# KiCad board GSTrackerOrderFile.kicad_pcb (continued)
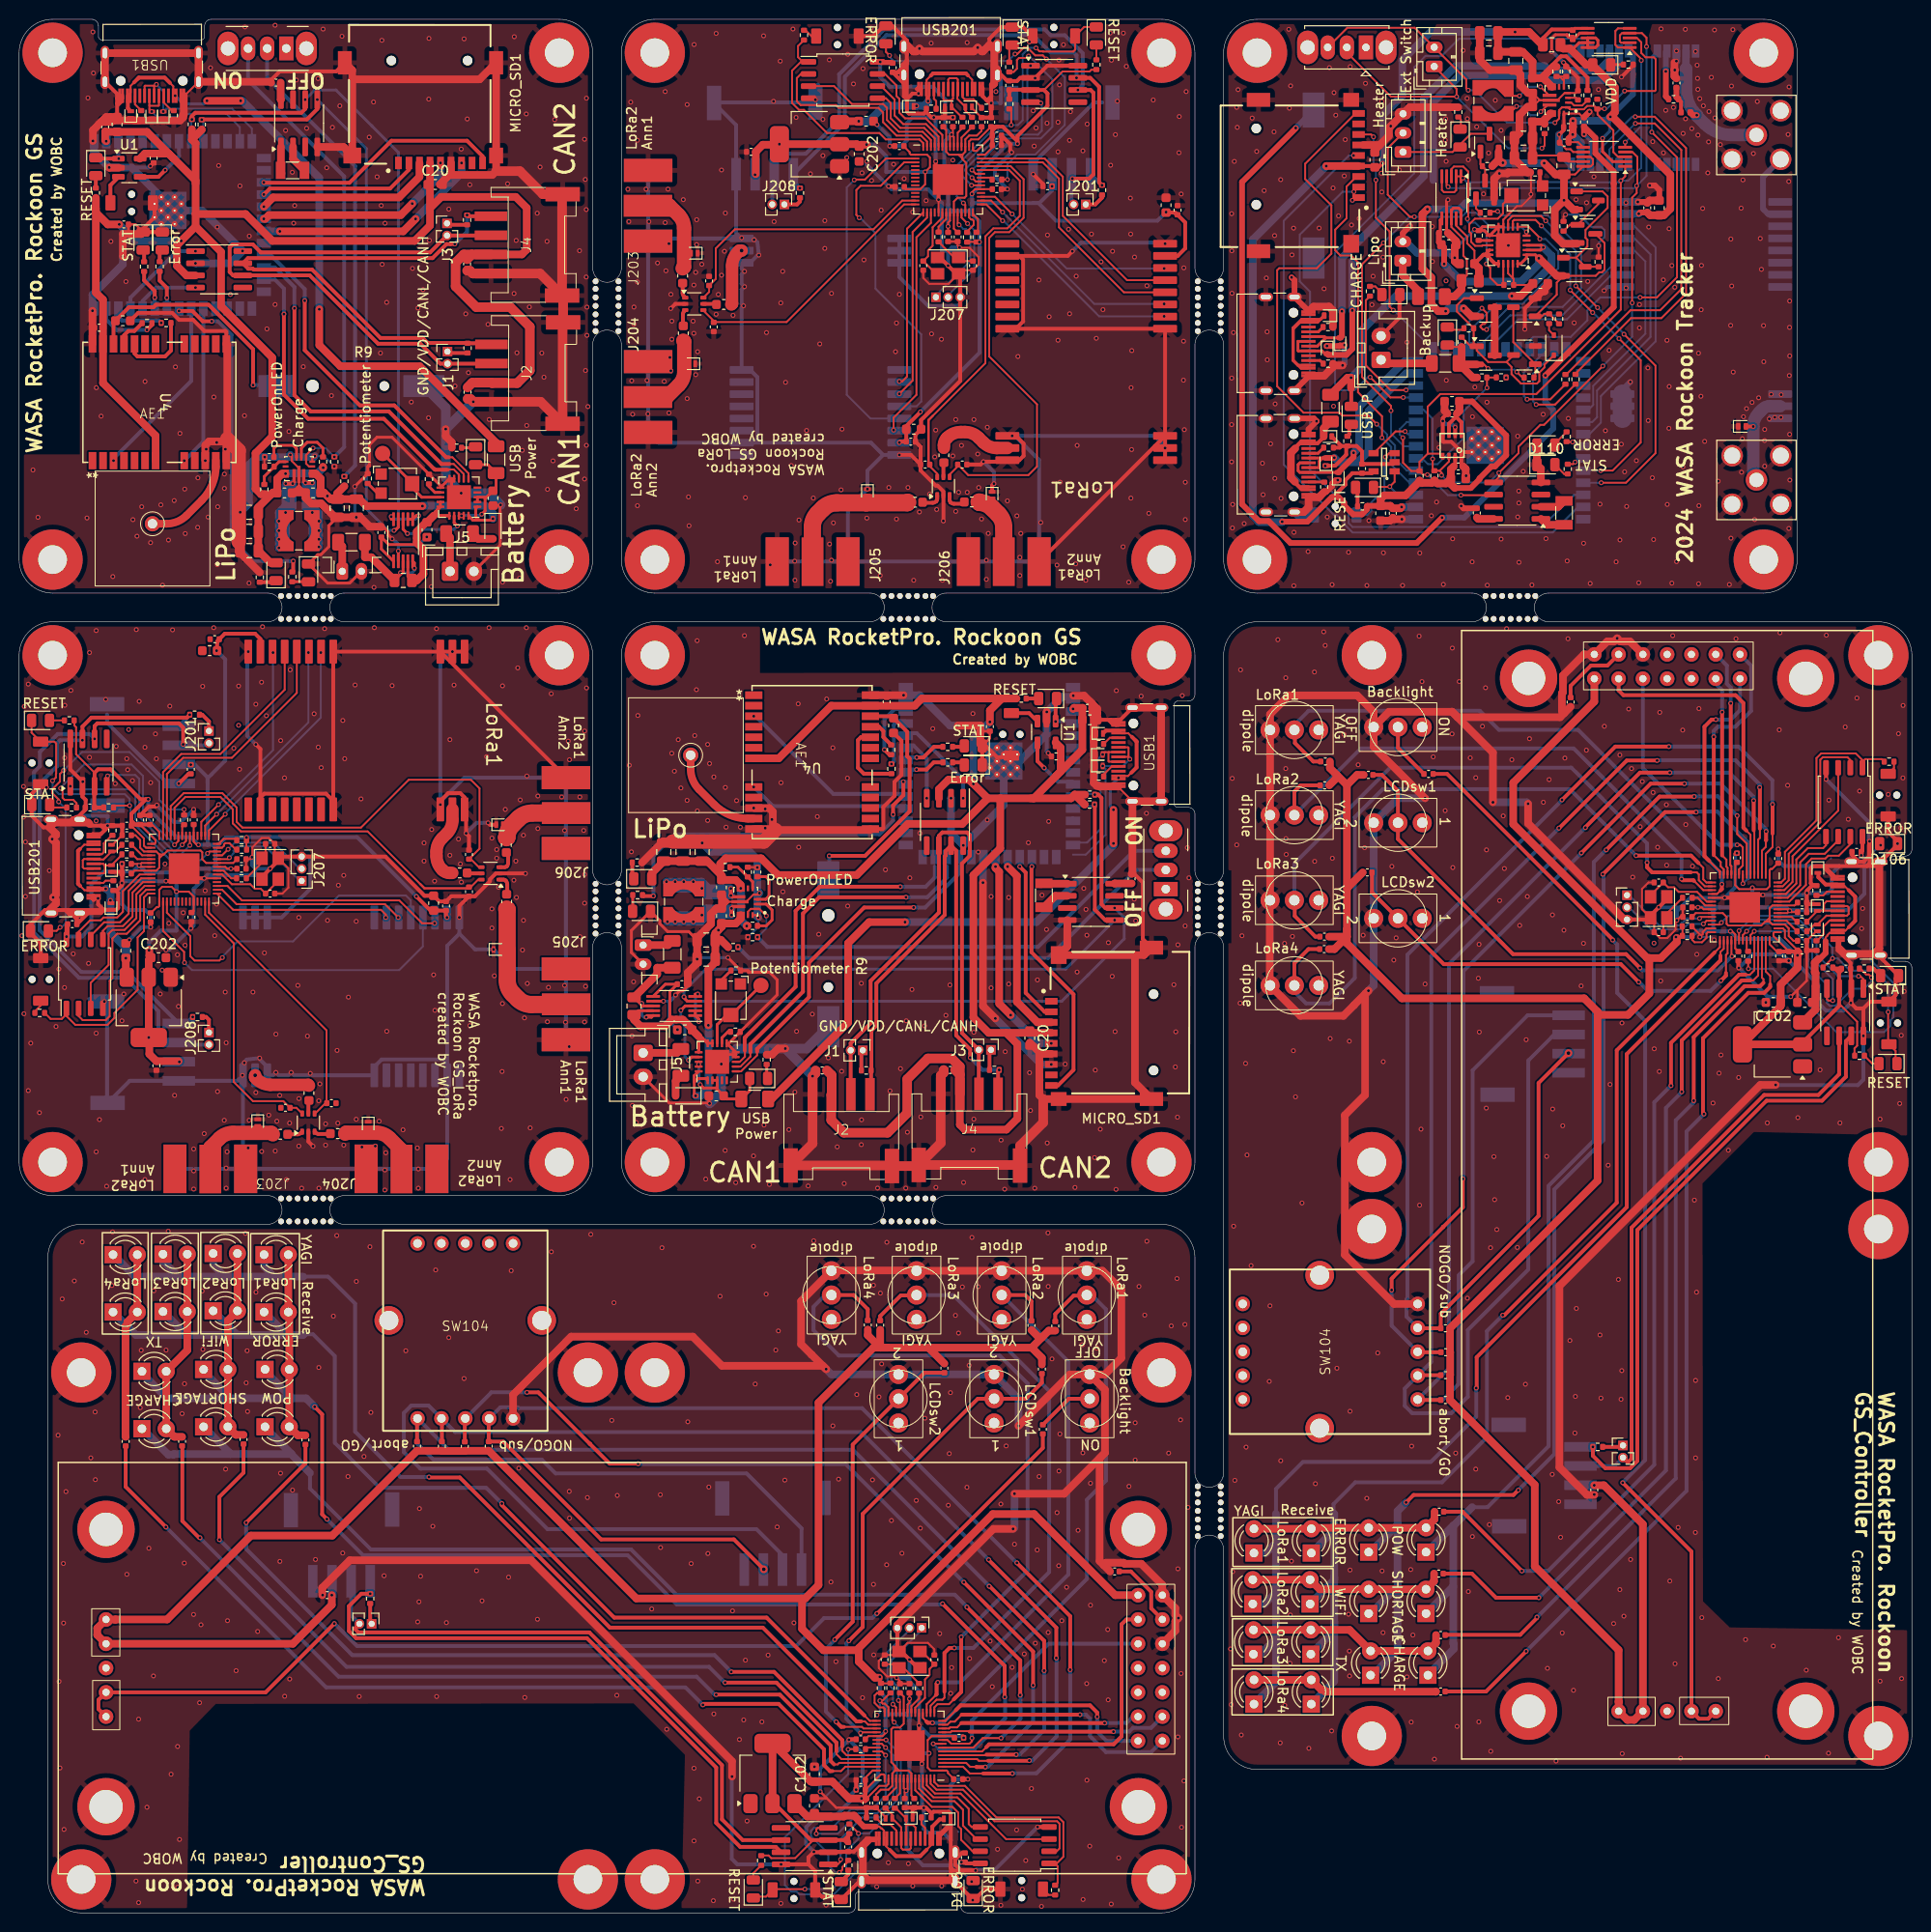
[diagram p0: board, top side]
## Footprints (pads in the part's own frame, mm; a bottom-side part is the same pattern mirrored in y, then rotated) (continued)
Board_1U_60x60
  round 6.3 hole 3: GND(-26.5,26.5) GND(-26.5,-26.5) GND(26.5,26.5) GND(26.5,-26.5)
Board_2U_120x60
  round 6.3 hole 3: GND(-56.5,26.5) GND(-56.5,-26.5) GND(-3.5,26.5) GND(-3.5,-26.5) GND(3.5,26.5) GND(3.5,-26.5) GND(56.5,26.5) GND(56.5,-26.5)
C_0402_1005Metric
  rrect 0.56x0.62 smd: 1(-0.48,0) 2(0.48,0)
C_0603_1608Metric
  rrect 0.9x0.95 smd: 1(-0.775,0) 2(0.775,0)
C_0805_2012Metric
  rrect 1x1.45 smd: 1(-0.95,0) 2(0.95,0)
cr1220
  round 1.3 hole 1.3 unplated: (-3.75,0)
  round 1 hole 1 unplated: (3.75,0)
  rect 3.66x2.3 smd: 1(-7.575,0)
  rect 4.3x2.3 smd: 2(7.895,0)
cr1220#2
  rect 3.66x2.3 smd: 1(-7.575,0)
  rect 4.3x2.3 smd: 2(7.895,0)
Crystal_SMD_3215-2Pin_3.2x1.5mm
  rect 1x1.8 smd: 1(1.25,0) 2(-1.25,0)
Crystal_SMD_3225-4Pin_3.2x2.5mm
  rect 1.4x1.2 smd: 1(-1.1,-0.85) 2(1.1,-0.85) 3(1.1,0.85) 4(-1.1,0.85)
D_SOD-323
  rrect 0.6x0.45 smd: 1(-1.05,0) 2(1.05,0)
D_SOD-882
  rrect 0.3x0.6 smd: (-0.35,0) (0.35,0)
  rrect 0.4x0.7 smd: 1(-0.35,0) 2(0.35,0)
D_SOD-882D
  rrect 0.3x0.6 smd: (-0.35,0) (0.35,0)
  rrect 0.5x0.7 smd: 1(-0.4,0) 2(0.4,0)
E220-900T22S(JP)
  rrect 2.5x0.8 smd: 1(8.25,0) 2(8.25,1.27) 3(8.25,2.54) 4(8.25,13.74) 5(8.25,15.01) 6(8.25,16.28) 7(8.25,17.55) 8(8.25,18.82) 9(8.25,20.09) 10(8.25,21.36) 11(8.25,22.63) 12(-8.25,22.63) 13(-8.25,21.36) 14(-8.25,20.09) 15(-8.25,18.82) 16(-8.25,17.55) 17(-8.25,16.28) 18(-8.25,15.01) 19(-8.25,13.74) 20(-8.25,2.54) 21(-8.25,1.27) 22(-8.25,0)
ESP32-S3-WROOM-1
  rect 0.9x0.9 smd: (-2.9,-3.86) (-2.9,-2.46) (-2.9,-1.06) (-1.5,-3.86) (-1.5,-2.46) (-1.5,-1.06) (-0.1,-3.86) (-0.1,-2.46) (-0.1,-1.06)
  rect 1.5x0.9 smd: 1(-8.75,5.26) 2(-8.75,3.99) 3(-8.75,2.72) 4(-8.75,1.45) 5(-8.75,0.18) 6(-8.75,-1.09) 7(-8.75,-2.36) 8(-8.75,-3.63) 9(-8.75,-4.9) 10(-8.75,-6.17) 11(-8.75,-7.44) 12(-8.75,-8.71) 13(-8.75,-9.98) 14(-8.75,-11.25) 27(8.75,-11.25) 28(8.75,-9.98) 29(8.75,-8.71) 30(8.75,-7.44) 31(8.75,-6.17) 32(8.75,-4.9) 33(8.75,-3.63) 34(8.75,-2.36) 35(8.75,-1.09) 36(8.75,0.18) 37(8.75,1.45) 38(8.75,2.72) 39(8.75,3.99) 40(8.75,5.26)
  rect 0.9x1.5 smd: 15(-6.985,-12.5) 16(-5.715,-12.5) 17(-4.445,-12.5) 18(-3.175,-12.5) 19(-1.905,-12.5) 20(-0.635,-12.5) 21(0.635,-12.5) 22(1.905,-12.5) 23(3.175,-12.5) 24(4.445,-12.5) 25(5.715,-12.5) 26(6.985,-12.5)
  round 0.6 hole 0.2: 41(-2.9,-3.16) 41(-2.9,-1.76) 41(-2.2,-3.86) 41(-2.2,-2.46) 41(-2.2,-1.06) 41(-1.5,-3.16) 41(-1.5,-1.76) 41(-0.8,-3.86) 41(-0.8,-2.46) 41(-0.8,-1.06) 41(-0.1,-3.16) 41(-0.1,-1.76)
  rect 3.9x3.9 smd: 41(-1.5,-2.46)
Fuse_1206_3216Metric
  rrect 1.25x1.75 smd: 1(-1.4,0) 2(1.4,0)
GNSS_Antenna_1212
  round 1.6 hole 1: 1(0,0.5)
Grove_4P_L_SMD
  rect 1x3.4 smd: 1(3,3.7) 2(1,3.7) 3(-1,3.7) 4(-3,3.7)
  rect 1.5x3.6 smd: MP(-5.3,-3.74) MP(5.3,-3.8)
JST_PH_B2B-PH-K_1x02_P2.00mm_Vertical
  rrect 1.2x1.75 hole 0.75: 1(0,0)
  oval 1.2x1.75 hole 0.75: 2(2,0)
JST_PH_B3B-PH-K_1x03_P2.00mm_Vertical
  rrect 1.2x1.75 hole 0.75: 1(0,0)
  oval 1.2x1.75 hole 0.75: 2(2,0) 3(4,0)
JST_PH_S2B-PH-K_1x02_P2.00mm_Horizontal
  rrect 1.2x1.75 hole 0.75: 1(0,0)
  oval 1.2x1.75 hole 0.75: 2(2,0)
JST_XH_B2B-XH-A_1x02_P2.50mm_Vertical
  rrect 1.7x2 hole 1: 1(0,0)
  oval 1.7x2 hole 1: 2(2.5,0)
L_0402_1005Metric
  rrect 0.59x0.64 smd: 1(-0.485,0) 2(0.485,0)
L_Wuerth_WE-TPC-3816
  custom 4.3x1.6 smd: 1(0,1.75) 2(0,-1.75)
LED_0805_2012Metric
  rrect 0.975x1.4 smd: 1(-0.938,0) 2(0.938,0)
LED_D3.0mm_FlatTop
  rect 1.8x1.8 hole 0.9: 1(0,0)
  round 1.8 hole 0.9: 2(2.54,0)
PinHeader_1x02_P1.27mm_Vertical
  rect 1x1 hole 0.65: 1(0,0)
  oval 1x1 hole 0.65: 2(0,-1.27)
PinHeader_1x03_P1.27mm_Vertical
  rect 1x1 hole 0.65: 1(0,0)
  oval 1x1 hole 0.65: 2(0,-1.27) 3(0,-2.54)
Potentiometer_Bourns_TC33X_Vertical
  rect 1.2x1.2 smd: 1(-1.8,1) 3(-1.8,-1)
  rect 1.5x1.6 smd: 2(1.45,0)
QFN-20-1EP_4x4mm_P0.5mm_EP2.5x2.5mm
  rrect 1.01x1.01 smd: (-0.625,0.625) (-0.625,-0.625) (0.625,0.625) (0.625,-0.625)
  rrect 0.825x0.25 smd: 1(-1.938,1) 2(-1.938,0.5) 3(-1.938,0) 4(-1.938,-0.5) 5(-1.938,-1) 11(1.938,-1) 12(1.938,-0.5) 13(1.938,0) 14(1.938,0.5) 15(1.938,1)
  rrect 0.25x0.825 smd: 6(-1,-1.938) 7(-0.5,-1.938) 8(0,-1.938) 9(0.5,-1.938) 10(1,-1.938) 16(1,1.938) 17(0.5,1.938) 18(0,1.938) 19(-0.5,1.938) 20(-1,1.938)
  rect 2.5x2.5 smd: 21(0,0)
QFN-56-1EP_7x7mm_P0.4mm_EP3.2x3.2mm
  rrect 1.29x1.29 smd: (-0.8,0.8) (-0.8,-0.8) (0.8,0.8) (0.8,-0.8)
  rrect 0.875x0.2 smd: 1(-3.438,2.6) 2(-3.438,2.2) 3(-3.438,1.8) 4(-3.438,1.4) 5(-3.438,1) 6(-3.438,0.6) 7(-3.438,0.2) 8(-3.438,-0.2) 9(-3.438,-0.6) 10(-3.438,-1) 11(-3.438,-1.4) 12(-3.438,-1.8) 13(-3.438,-2.2) 14(-3.438,-2.6) 29(3.438,-2.6) 30(3.438,-2.2) 31(3.438,-1.8) 32(3.438,-1.4) 33(3.438,-1) 34(3.438,-0.6) 35(3.438,-0.2) 36(3.438,0.2) 37(3.438,0.6) 38(3.438,1) 39(3.438,1.4) 40(3.438,1.8) 41(3.438,2.2) 42(3.438,2.6)
  rrect 0.2x0.875 smd: 15(-2.6,-3.438) 16(-2.2,-3.438) 17(-1.8,-3.438) 18(-1.4,-3.438) 19(-1,-3.438) 20(-0.6,-3.438) 21(-0.2,-3.438) 22(0.2,-3.438) 23(0.6,-3.438) 24(1,-3.438) 25(1.4,-3.438) 26(1.8,-3.438) 27(2.2,-3.438) 28(2.6,-3.438) 43(2.6,3.438) 44(2.2,3.438) 45(1.8,3.438) 46(1.4,3.438) 47(1,3.438) 48(0.6,3.438) 49(0.2,3.438) 50(-0.2,3.438) 51(-0.6,3.438) 52(-1,3.438) 53(-1.4,3.438) 54(-1.8,3.438) 55(-2.2,3.438) 56(-2.6,3.438)
  rect 3.2x3.2 smd: 57(0,0)
R_0402_1005Metric
  rrect 0.54x0.64 smd: 1(-0.51,0) 2(0.51,0)
R_0805_2012Metric
  rrect 1.025x1.4 smd: 1(-0.912,0) 2(0.912,0)
RotarySwitch_2x04
  round 3 hole 2: (-8,1.1) (8,1.1)
  round 1.524 hole 0.9: 1(5,-9.15) 2(2.5,-9.15) 3(0,-9.15) 4(-2.5,-9.15) 5(-5,-9.15) 6(-5,9.15) 7(-2.5,9.15) 8(0,9.15) 9(2.5,9.15) 10(5,9.15)
SC2004CSWB
  round 1.524 hole 0.762: 1(-56.5,-7.62) 2(-53.96,-7.62) 3(-56.5,-5.08) 4(-53.96,-5.08) 5(-56.5,-2.54) 6(-53.96,-2.54) 7(-56.5,0) 8(-53.96,0) 9(-56.5,2.54) 10(-53.96,2.54) 11(-56.5,5.08) 12(-53.96,5.08) 13(-56.5,7.62) 14(-53.96,7.62) 15(54,-2.54) 15(54,-5.08) 16(54,0) 17(54,5.08) 17(54,2.54)
  round 6 hole 3.5: GND(-54,14.5) GND(-54,-14.5) GND(54,14.5) GND(54,-14.5)
SMA_aki
  rect 5.08x2.29 smd: 1(3.78,0)
  rect 5.08x2.42 smd: 2(3.8,3.7) 2(3.8,-3.7)
  rect 5.08x2.42 smd far side: 2(3.8,3.7) 2(3.8,-3.7)
SMA_Amphenol_132203-12_Horizontal
  round 2.25 hole 1.5: 1(0,0)
  round 2.25 hole 1.7: 2(-2.54,2.54) 2(-2.54,-2.54) 2(2.54,2.54) 2(2.54,-2.54)
SMT_9N-00B_UBL
  rect 1.372x0.787 smd: 1(5.921,-6.5) 2(5.921,-5.5) 3(5.921,-4.5) 4(5.921,-3.5) 5(5.921,-2.5) 6(5.921,-1.5) 7(5.921,-0.5) 8(5.921,2.5) 9(5.921,3.5) 10(5.921,4.5) 11(5.921,5.5) 12(5.921,6.5) 13(-5.921,6.5) 14(-5.921,5.5) 15(-5.921,4.5) 16(-5.921,3.5) 17(-5.921,2.5) 18(-5.921,-0.5) 19(-5.921,-1.5) 20(-5.921,-2.5) 21(-5.921,-3.5) 22(-5.921,-4.5) 23(-5.921,-5.5) 24(-5.921,-6.5)
SOIC-8_3.9x4.9mm_P1.27mm
  rrect 1.95x0.6 smd: 1(-2.475,1.905) 2(-2.475,0.635) 3(-2.475,-0.635) 4(-2.475,-1.905) 5(2.475,-1.905) 6(2.475,-0.635) 7(2.475,0.635) 8(2.475,1.905)
SOIC-8_5.23x5.23mm_P1.27mm
  rrect 1.6x0.6 smd: 1(-3.6,1.905) 2(-3.6,0.635) 3(-3.6,-0.635) 4(-3.6,-1.905) 5(3.6,-1.905) 6(3.6,-0.635) 7(3.6,0.635) 8(3.6,1.905)
SOT-23
  rrect 1.475x0.6 smd: 1(-0.938,0.95) 2(-0.938,-0.95) 3(0.938,0)
SOT-23-3
  rrect 1.325x0.6 smd: 1(-1.137,0.95) 2(-1.137,-0.95) 3(1.137,0)
SOT-23-5
  rrect 1.325x0.6 smd: 1(-1.137,0.95) 2(-1.137,0) 3(-1.137,-0.95) 4(1.137,-0.95) 5(1.137,0.95)
SOT-223-3_TabPin2
  rrect 2x1.5 smd: 1(-3.15,2.3) 2(-3.15,0) 3(-3.15,-2.3)
  rrect 2x3.8 smd: 2(3.15,0)
SOT-363_SC-70-6
  rrect 0.65x0.4 smd: 1(-0.95,0.65) 2(-0.95,0) 3(-0.95,-0.65) 4(0.95,-0.65) 5(0.95,0) 6(0.95,0.65)
SOT_23_5
  rect 1.06x0.65 smd: 1(-1.1,0.95) 2(-1.1,0) 3(-1.1,-0.95) 4(1.1,-0.95) 5(1.1,0.95)
SW_Slide_SPDT_Angled_CK_OS102011MA1Q
  oval 2.2x3.5 hole 1.5: (-2.1,0) (6.1,0)
  rect 1.5x2.5 hole 0.9: 1(0,0)
  oval 1.5x2.5 hole 0.9: 2(2,0) 3(4,0)
SW_Slide_SPDT_Straight_CK_OS102011MS2Q
  oval 2.2x3.5 hole 1.5: (-2.1,0) (6.1,0)
  rect 1.5x2.5 hole 0.8: 1(0,0)
  oval 1.5x2.5 hole 0.8: 2(2,0) 3(4,0)
TF-01A
  round 1 hole 1 unplated: (-5.004,-3.531) (2.972,-3.531)
  rect 0.7x1.3 smd: 1(2.23,7.174) 2(1.13,7.174) 3(0.03,7.174) 4(-1.07,7.174) 5(-2.17,7.174) 6(-3.27,7.174) 7(-4.37,7.174) 8(-5.47,7.174) CD1(-6.57,7.174)
  rect 1.448x1.651 smd: MP1(-7.989,6.4)
  rect 1.448x2.438 smd: MP2(-7.989,-3.3) MP3(7.836,-3.3)
  rect 1.854x1.651 smd: MP4(7.061,6.4)
ToggleSwitch
  round 2 hole 1.09: 1(0,2.54) 2(0,0) 3(0,-2.54)
TVAF06-A020B-R
  round 0.75 hole 0.75 unplated: (-0.9,0) (0.9,0)
  rrect 1.6x1.05 smd: 1(0,-2.225) 2(0,2.225)
unnamed
  round 0.6 hole 0.6 unplated: (0,0)
unnamed#2
  round 1.6 smd: 1(0,0)
USB_C_TYPEC-301S-ACP16X7
  round 1 hole 1 unplated: (-3.25,2.11) (3.25,2.11)
  rect 0.3x1.5 smd: A1(-3.35,3.67) A4(-2.55,3.67) A5(-1.25,3.67) A6(-0.25,3.67) A7(0.25,3.67) A8(1.25,3.67) A9(2.55,3.67) A12(3.35,3.67) B1(3.05,3.67) B4(2.25,3.67) B5(1.75,3.67) B6(0.75,3.67) B7(-0.75,3.67) B8(-1.75,3.67) B9(-2.25,3.67) B12(-3.05,3.67)
  oval 0.9x1.5 hole 0.5x1.1: S1(-4.895,2.21) S1(-4.895,-0.79) S1(4.895,2.21) S1(4.895,-0.79)
VREG_TPS63070RNMR
  rrect 0.6x0.25 smd: 1(-1.15,0.75) 2(-1.15,0.25) 3(-1.15,-0.25) 4(-1.15,-0.75)
  rrect 0.25x0.6 smd: 5(-0.725,-1.4) 6(-0.225,-1.4) 14(-0.225,1.4) 15(-0.725,1.4)
  rrect 0.85x0.7 smd: 7_8(0.525,-1.4) 12_13(0.525,1.4)
  rrect 1.45x0.35 smd: 9(0.775,-0.5) 11(0.775,0.5)
  rrect 1.8x0.35 smd: 10(0.6,0)
VSSOP-10_3x3mm_P0.5mm
  rrect 1.45x0.3 smd: 1(-2.2,1) 2(-2.2,0.5) 3(-2.2,0) 4(-2.2,-0.5) 5(-2.2,-1) 6(2.2,-1) 7(2.2,-0.5) 8(2.2,0) 9(2.2,0.5) 10(2.2,1)

## Nets
GND: BT1.2 BT1#2.2 BT101.2 C1.1 C1#2.1 C2.1 C2#2.1 C3.1 C3#2.1 C4.1 C4#2.1 C5.2 C5#2.2 C6.1 C6#2.1 C7.1 C7#2.1 C8.1 C8#2.1 C9.2 C9#2.2 C10.2 C10#2.2 C11.2 C11#2.2 C12.2 C12#2.2 C13.2 C13#2.2 C14.2 C14#2.2 C15.2 C15#2.2 C16.2 C16#2.2 C17.2 C17#2.2 C18.2 C18#2.2 C19.2 C19#2.2 C20.2 C20#2.2 C21.1 C21#2.1 C101.2 C101#2.2 C101#3.2 C102.2 C102#2.2 C102#3.2 C103.1 C103#2.1 C103#3.2 C104.1 C104#2.2 C104#3.1 C105.1 C105#3.1 C106.1 C106#2.1 C106#3.1 C107.2 C107#2.2 C107#3.2 C108.2 C108#2.2 C108#3.2 C109.1 C109#2.1 C109#3.2 C110.1 C110#2.2 C110#3.2 C111.1 C111#2.1 C111#3.1 C112.2 C112#2.2 C112#3.1 C113.1 C113#2.2 C113#3.2 C114.2 C114#2.2 C114#3.2 C115.2 C115#2.2 C115#3.2 C116.2 C116#2.2 C116#3.2 C117.2 C117#2.2 C117#3.2 C118.1 C118#2.2 C118#3.1 C119.2 C120.2 C121.2 C122.2 C123.2 C124.2 C125.2 C126.2 C127.2 C128.2 C201.2 C201#2.2 C203#2.1 C206.2 C207#2.2 C209.2 C209#2.2 C210.2 C210#2.2 C213.2 C213#2.2 C214.2 C214#2.2 C216.2 C217.2 C218.1 C218#2.1 C219.1 C219#2.1 C220.1 C220#2.1 C221.1 C221#2.1 C222.2 C222#2.2 C223.2 C223#2.2 C224.1 C224#2.1 C225.2 C225#2.2 C226.1 C226#2.1 C227.2 C227#2.2 C228.2 C228#2.2 C229.2 C229#2.2 C230.2 C230#2.2 C231.2 C231#2.2 C232.2 C232#2.2 C233.1 C233#2.1 D1.1 D1#2.1 D2.1 D2#2.1 D3.1 D3#2.1 D5.1 D5#2.1 D6.1 D6#2.1 D101#2.1 D102.1 D102#2.1 D102#3.1 D103.1 D103#3.1 D104.1 D104#3.1 D105.1 D105#2.1 D105#3.1 D106#2.1 D106#3.1 D107#3.1 D109.1 D110#2.1 D201.1 D201#2.1 D202.1 D202#2.1 D203.1 D203#2.1 D204.1 D204#2.1 D206.1 D206#2.1 D207.1 D207#2.1 D208.1 D208#2.1 D209.1 D209#2.1 D210.1 D210#2.1 J2.4 J2.MP J2#2.4 J2#2.MP J4.4 J4.MP J4#2.4 J4#2.MP J5.2 J5#2.2 J6.2 J6#2.2 J101.3 J101#2.3 J101#3.2 J102.2 J102#2.4 J102#2.MP J102#3.4 J102#3.MP J103#3.2 J104.3 J104#2.4 J104#2.MP J104#3.4 J104#3.MP J106.2 J202.4 J202.MP J202#2.MP J203.2 J203#2.2 J204.2 J204#2.2 J205.2 J205#2.2 J206.2 J206#2.2 J207.3 J207#2.3 J209.4 J209.MP J209#2.4 J209#2.MP lcd101.1 lcd101.5 lcd101.GND lcd101#2.1 lcd101#2.5 lcd101#2.GND LED2.1 LED2#2.1 LED102.1 MICRO_SD1.6 MICRO_SD1.7 MICRO_SD1.MP1 MICRO_SD1.MP2 MICRO_SD1.MP3 MICRO_SD1.MP4 MICRO_SD1#2.6 MICRO_SD1#2.MP1 MICRO_SD1#2.MP2 MICRO_SD1#2.MP3 MICRO_SD1#2.MP4 MICRO_SD101.MP1 MICRO_SD101.MP2 MICRO_SD101.MP3 MICRO_SD101.MP4 Q101.2 Q102.2 Q108.2 R1.2 R1#2.2 R2.2 R2#2.2 R12.2 R12#2.2 R13.2 R13#2.2 R14.2 R14#2.2 R17.2 R17#2.2 R20.1 R20#2.1 R22.2 R22#2.2 R101#2.2 R103.2 R103#3.2 R104.2 R104#2.2 R106.2 R109#3.2 R113#3.2 R114.1 R114#3.1 R115.2 R117.2 R118.2 R125.2 R126#2.2 R129#3.1 R135.1 R138.2 R204.2 R204#2.2 R205.2 R205#2.2 REF**.GND REF**#2.GND REF**#3.GND REF**#4.GND REF**#5.GND REF**#6.GND REF**#7.GND SW1.2 SW1#2.2 SW101.2 SW101#2.2 SW102.1 SW102#3.1 SW103.3 SW103#2.3 SW104.1 SW104#2.1 SW105.3 SW105#2.3 SW106.3 SW106#2.3 SW107.3 SW107#2.3 SW108.3 SW108#2.3 SW109.3 SW109#2.3 SW110.3 SW110#2.3 SW201.2 SW201#2.2 SW202.1 SW202#2.1 Switch201.2 Switch201#2.2 Switch202.2 Switch202#2.2 U1.2 U1#2.2 U2.2 U2.8 U2#2.2 U2#2.8 U3.2 U3.21 U3.39 U3.40 U3.41 U3#2.1 U3#2.40 U3#2.41 U4.10 U4.12 U4.13 U4.24 U4#2.10 U4#2.12 U4#2.13 U4#2.24 U5.9 U5.10 U5.11 U5.21 U5#2.9 U5#2.10 U5#2.11 U5#2.21 U6.4 U6.10 U6.15 U6#2.4 U6#2.10 U6#2.15 U7.7 U7#2.7 U8.4 U8#2.4 U101#2.1 U101#2.5 U101#2.7 U102.4 U102#2.2 U102#2.8 U102#3.2 U102#3.8 U103.4 U103#2.4 U103#3.1 U103#3.2 U103#3.3 U103#3.4 U103#3.11 U103#3.13 U103#3.19 U103#3.20 U103#3.22 U104.19 U104.57 U104#2.19 U104#2.27 U104#2.57 U104#3.10 U104#3.12 U104#3.24 U105.2 U106.1 U106.40 U106.41 U107.9 U107.10 U107.11 U107.21 U108.7 U109.7 U110.4 U110.10 U110.15 U111.7 U201.1 U201#2.1 U202.1 U202.2 U202.3 U202.11 U202.13 U202.19 U202.20 U202.22 U202#2.1 U202#2.2 U202#2.3 U202#2.11 U202#2.13 U202#2.19 U202#2.20 U202#2.22 U203.1 U203.2 U203.3 U203.4 U203.11 U203.13 U203.19 U203.20 U203.22 U203#2.1 U203#2.2 U203#2.3 U203#2.4 U203#2.11 U203#2.13 U203#2.19 U203#2.20 U203#2.22 U204.2 U204.8 U204#2.2 U204#2.8 U205.4 U205#2.4 U206.19 U206.57 U206#2.19 U206#2.57 USB1.A1 USB1.A12 USB1.B1 USB1.B12 USB1.S1 USB1#2.A1 USB1#2.A12 USB1#2.B1 USB1#2.B12 USB1#2.S1 USB101.A1 USB101.A12 USB101.B1 USB101.B12 USB101.S1 USB101#2.A1 USB101#2.A12 USB101#2.B1 USB101#2.B12 USB101#2.S1 USB101#3.S1 USB102.S1 USB201.A1 USB201.A12 USB201.B1 USB201.B12 USB201.S1 USB201#2.A1 USB201#2.A12 USB201#2.B1 USB201#2.B12 USB201#2.S1 Y101.2 Y101.4 Y101#2.2 Y101#2.4 Y201.2 Y201.4 Y201#2.2 Y201#2.4

Pads without a net: AE1 1; AE1#2 1; BT1 1; BT1#2 1; BT101 1; C1 2; C1#2 2; C2 2; C2#2 2; C3 2; C3#2 2; C4 2; C4#2 2; C5 1; C5#2 1; C6 2; C6#2 2; C7 2; C7#2 2; C8 2; C8#2 2; C9 1; C9#2 1; C10 1; C10#2 1; C11 1; C11#2 1; C12 1; C12#2 1; C13 1; C13#2 1; C14 1; C14#2 1; C15 1; C15#2 1; C16 1; C16#2 1; C17 1; C17#2 1; C18 1; C18#2 1; C19 1; C19#2 1; C20 1; C20#2 1; C21 2; C21#2 2; C101 1; C101#2 1; C101#3 1; C102 1; C102#2 1; C102#3 1; C103 2; C103#2 2; C103#3 1; C104 2; C104#2 1; C104#3 2; C105 2; C105#2 1 2; C105#3 2; C106 2; C106#2 2; C106#3 2; C107 1; C107#2 1; C107#3 1; C108 1; C108#2 1; C108#3 1; C109 2; C109#2 2; C109#3 1; C110 2; C110#2 1; C110#3 1; C111 2; C111#2 2; C111#3 2; C112 1; C112#2 1; C112#3 2; C113 2; C113#2 1; C113#3 1; C114 1; C114#2 1; C114#3 1; C115 1; C115#2 1; C115#3 1; C116 1; C116#2 1; C116#3 1; C117 1; C117#2 1; C117#3 1; C118 2; C118#2 1; C118#3 2; C119 1; C120 1; C121 1; C122 1; C123 1; C124 1; C125 1; C126 1; C127 1; C128 1; C201 1; C201#2 1; C202 1 2; C202#2 1 2; C203 1 2; C203#2 2; C204 1 2; C204#2 1 2; C205 1 2; C205#2 1 2; C206 1; C206#2 1 2; C207 1 2; C207#2 1; C208 1 2; C208#2 1 2; C209 1; C209#2 1; C210 1; C210#2 1; C211 1 2; C211#2 1 2; C212 1 2; C212#2 1 2; C213 1; C213#2 1; C214 1; C214#2 1; C215 1 2; C215#2 1 2; C216 1; C216#2 1 2; C217 1; C217#2 1 2; C218 2; C218#2 2; C219 2; C219#2 2; C220 2; C220#2 2; C221 2; C221#2 2; C222 1; C222#2 1; C223 1; C223#2 1; C224 2; C224#2 2; C225 1; C225#2 1; C226 2; C226#2 2; C227 1; C227#2 1; C228 1; C228#2 1; C229 1; C229#2 1; C230 1; C230#2 1; C231 1; C231#2 1; C232 1; C232#2 1; C233 2; C233#2 2; D1 2; D1#2 2; D2 2; D2#2 2; D3 2; D3#2 2; D4 1 2; D4#2 1 2; D5 2; D5#2 2; D6 2; D6#2 2; D7 1 2; D7#2 1 2; D101 1 2; D101#2 2; D101#3 1 2; D102 2; D102#2 2; D102#3 2; D103 2; D103#2 1 2; D103#3 2; D104 2; D104#2 1 2; D104#3 2; D105 2; D105#2 2; D105#3 2; D106 1 2; D106#2 2; D106#3 2; D107 1 2; D107#2 1 2; D107#3 2; D108 1 2; D108#2 1 2; D108#3 1 2; D109 2; D109#2 1 2; D109#3 1 2; D110 1 2; D110#2 2; D110#3 1 2; D111 1 2; D111#2 1 2; D111#3 1 2; D112 1 2; D112#2 1 2; D113 1 2; D113#2 1 2; D114 1 2; D114#2 1 2; D115 1 2; D115#2 1 2; D116 1 2; D116#2 1 2; D117 1 2; D117#2 1 2; D118 1 2; D118#2 1 2; D119 1 2; D119#2 1 2; D120 1 2; D120#2 1 2; D201 2; D201#2 2; D202 2; D202#2 2; D203 2; D203#2 2; D204 2; D204#2 2; D205 1 2; D205#2 1 2; D206 2; D206#2 2; D207 2; D207#2 2; D208 2; D208#2 2; D209 2; D209#2 2; D210 2; D210#2 2; F1 1 2; F1#2 1 2; F2 1 2; F2#2 1 2; F3 1 2; F3#2 1 2; F101 1 2; F102 1 2; F103 1 2; J1 1 2; J1#2 1 2; J2 1 2 3; J2#2 1 2 3; J3 1 2; J3#2 1 2; J4 1 2 3; J4#2 1 2 3; J5 1; J5#2 1; J6 1; J6#2 1; J101 1 2; J101#2 1 2; J101#3 1; J102 1; J102#2 1 2 3; J102#3 1 2 3; J103 1 2; J103#2 1 2; J103#3 1; J104 1 2; J104#2 1 2 3; J104#3 1 2 3; J105 1 2; J106 1; J201 1 2; J201#2 1 2; J202 1 2 3; J202#2 1 2 3 4; J203 1; J203#2 1; J204 1; J204#2 1; J205 1; J205#2 1; J206 1; J206#2 1; J207 1 2; J207#2 1 2; J208 1 2; J208#2 1 2; J209 1 2 3; J209#2 1 2 3; L1 1 2; L1#2 1 2; L101 1 2; L102 1 2; lcd101 2 3 4 6 7 8 9 10 11 12 13 14 15 16 17; lcd101#2 2 3 4 6 7 8 9 10 11 12 13 14 15 16 17; LED1 1 2; LED1#2 1 2; LED2 2; LED2#2 2; LED3 1 2; LED3#2 1 2; LED101 1 2; LED102 2; LED103 1 2; LED104 1 2; LED105 1 2; MICRO_SD1 1 2 3 4 5 8 CD1; MICRO_SD1#2 1 2 3 4 5 7 8 CD1; MICRO_SD101 1 2 3 4 5 6 7 8 CD1; NOREF#9 1; NOREF#60 1; Q101 1 3; Q102 1 3; Q103 1 2 3; Q104 1 2 3; Q105 1 2 3; Q106 1 2 3; Q107 1 2 3; Q108 1 3; Q109 1 2 3; R1 1; R1#2 1; R2 1; R2#2 1; R3 1 2; R3#2 1 2; R4 1 2; R4#2 1 2; R5 1 2; R5#2 1 2; R6 1 2; R6#2 1 2; R7 1 2; R7#2 1 2; R8 1 2; R8#2 1 2; R9 1 2; R9#2 1 2; R10 1 2; R10#2 1 2; R11 1 2; R11#2 1 2; R12 1; R12#2 1; R13 1; R13#2 1; R14 1; R14#2 1; R15 1 2; R15#2 1 2; R16 1 2; R16#2 1 2; R17 1; R17#2 1; R18 1 2; R18#2 1 2; R19 1 2; R19#2 1 2; R20 2; R20#2 2; R21 1 2; R21#2 1 2; R22 1; R22#2 1; R101 1 2; R101#2 1; R101#3 1 2; R102 1 2; R102#2 1 2; R102#3 1 2; R103 1; R103#2 1 2; R103#3 1; R104 1; R104#2 1; R104#3 1 2; R105 1 2; R105#2 1 2; R105#3 1 2; R106 1; R107 1 2; R108 1 2; R108#2 1 2; R108#3 1 2; R109 1 2; R109#2 1 2; R109#3 1; R110 1 2; R110#2 1 2; R110#3 1 2; R111 1 2; R111#2 1 2; R111#3 1 2; R112 1 2; R112#2 1 2; R112#3 1 2; R113 1 2; R113#2 1 2; R113#3 1; R114 2; R114#2 1 2; R114#3 2; R115 1; R115#2 1 2; R115#3 1 2; R116 1 2; R116#2 1 2; R116#3 1 2; R117 1; R117#2 1 2; R117#3 1 2; R118 1; R118#2 1 2; R118#3 1 2; R119 1 2; R119#2 1 2; R119#3 1 2; R120 1 2; R120#2 1 2; R120#3 1 2; R121 1 2; R121#2 1 2; R121#3 1 2; R122 1 2; R122#2 1 2; R122#3 1 2; R123 1 2; R123#2 1 2; R123#3 1 2; R124 1 2; R124#2 1 2; R124#3 1 2; R125 1; R125#2 1 2; R125#3 1 2; R126 1 2; R126#2 1; R126#3 1 2; R127 1 2; R127#2 1 2; R127#3 1 2; R128 1 2; R128#2 1 2; R128#3 1 2; R129 1 2; R129#2 1 2; R129#3 2; R130 1 2; R131 1 2; R132 1 2; R133 1 2; R134 1 2; R135 2; R136 1 2; R137 1 2; R138 1; R201 1 2; R201#2 1 2; R202 1 2; R202#2 1 2; R203 1 2; R203#2 1 2; R204 1; R204#2 1; R205 1; R205#2 1; R206 1 2; R206#2 1 2; R207 1 2; R207#2 1 2; R207#3 1 2; R207#4 1 2; R208 1 2; R208#2 1 2; R208#3 1 2; R208#4 1 2; R209 1 2; R209#2 1 2; R210 1 2; R210#2 1 2; R211 1 2; R211#2 1 2; R212 1 2; R212#2 1 2; R213 1 2; R213#2 1 2; R214 1 2; R214#2 1 2; RV1 1 2 3; RV1#2 1 2 3; RV101 1 2 3; SW1 1; SW1#2 1; SW2 1 2 3; SW2#2 1 2 3; SW101 1; SW101#2 1; SW101#3 1 2; SW102 2; SW102#2 1 2 3; SW102#3 2; SW103 1 2; SW103#2 1 2; SW104 2 3 4 5 6 7 8 9 10; SW104#2 2 3 4 5 6 7 8 9 10; SW105 1 2; SW105#2 1 2; SW106 1 2; SW106#2 1 2; SW107 1 2; SW107#2 1 2; SW108 1 2; SW108#2 1 2; SW109 1 2; SW109#2 1 2; SW110 1 2; SW110#2 1 2; SW201 1; SW201#2 1; SW202 2; SW202#2 2; Switch201 1 3 4 5 6; Switch201#2 1 3 4 5 6; Switch202 1 3 4 5 6; Switch202#2 1 3 4 5 6; U1 1 3 4 5; U1#2 1 3 4 5; U2 1 3 4 5 6 7; U2#2 1 3 4 5 6 7; U3 1 3 4 5 6 7 8 9 10 11 12 13 14 15 16 17 18 19 20 22 23 24 25 26 27 28 29 30 31 32 33 34 35 36 37 38; U3#2 2 3 4 5 6 7 8 9 10 11 12 13 14 15 16 17 18 19 20 21 22 23 24 25 26 27 28 29 30 31 32 33 34 35 36 37 38 39; U4 1 2 3 4 5 6 7 8 9 11 14 15 16 17 18 19 20 21 22 23; U4#2 1 2 3 4 5 6 7 8 9 11 14 15 16 17 18 19 20 21 22 23; U5 1 2 3 4 5 6 7 8 12 13 14 15 16 17 18 19 20; U5#2 1 2 3 4 5 6 7 8 12 13 14 15 16 17 18 19 20; U6 1 2 3 5 6 7_8 9 11 12_13 14; U6#2 1 2 3 5 6 7_8 9 11 12_13 14; U7 1 2 3 4 5 6 8 9 10; U7#2 1 2 3 4 5 6 8 9 10; U8 1 2 3 5 6 7 8; U8#2 1 2 3 5 6 7 8; U101 1 2 3; U101#2 2 3 4 6 8; U101#3 1 2 3; U102 1 2 3 5 6 7 8; U102#2 1 3 4 5 6 7; U102#3 1 3 4 5 6 7; U103 1 2 3 5 6 7 8; U103#2 1 2 3 5 6 7 8; U103#3 5 6 7 8 9 10 12 14 15 16 17 18 21; U104 1 2 3 4 5 6 7 8 9 10 11 12 13 14 15 16 17 18 20 21 22 23 24 25 26 27 28 29 30 31 32 33 34 35 36 37 38 39 40 41 42 43 44 45 46 47 48 49 50 51 52 53 54 55 56; U104#2 1 2 3 4 5 6 7 8 9 10 11 12 13 14 15 16 17 18 20 21 22 23 24 25 26 28 29 30 31 32 33 34 35 36 37 38 39 40 41 42 43 44 45 46 47 48 49 50 51 52 53 54 55 56; U104#3 1 2 3 4 5 6 7 8 9 11 13 14 15 16 17 18 19 20 21 22 23; U105 1 3 4 5; U106 2 3 4 5 6 7 8 9 10 11 12 13 14 15 16 17 18 19 20 21 22 23 24 25 26 27 28 29 30 31 32 33 34 35 36 37 38 39; U107 1 2 3 4 5 6 7 8 12 13 14 15 16 17 18 19 20; U108 1 2 3 4 5 6 8 9 10; U109 1 2 3 4 5 6 8 9 10; U110 1 2 3 5 6 7_8 9 11 12_13 14; U111 1 2 3 4 5 6 8 9 10; U201 2 3; U201#2 2 3; U202 4 5 6 7 8 9 10 12 14 15 16 17 18 21; U202#2 4 5 6 7 8 9 10 12 14 15 16 17 18 21; U203 5 6 7 8 9 10 12 14 15 16 17 18 21; U203#2 5 6 7 8 9 10 12 14 15 16 17 18 21; U204 1 3 4 5 6 7; U204#2 1 3 4 5 6 7; U205 1 2 3 5 6 7 8; U205#2 1 2 3 5 6 7 8; U206 1 2 3 4 5 6 7 8 9 10 11 12 13 14 15 16 17 18 20 21 22 23 24 25 26 27 28 29 30 31 32 33 34 35 36 37 38 39 40 41 42 43 44 45 46 47 48 49 50 51 52 53 54 55 56; U206#2 1 2 3 4 5 6 7 8 9 10 11 12 13 14 15 16 17 18 20 21 22 23 24 25 26 27 28 29 30 31 32 33 34 35 36 37 38 39 40 41 42 43 44 45 46 47 48 49 50 51 52 53 54 55 56; USB1 A4 A5 A6 A7 A8 A9 B4 B5 B6 B7 B8 B9; USB1#2 A4 A5 A6 A7 A8 A9 B4 B5 B6 B7 B8 B9; USB101 A4 A5 A6 A7 A8 A9 B4 B5 B6 B7 B8 B9; USB101#2 A4 A5 A6 A7 A8 A9 B4 B5 B6 B7 B8 B9; USB101#3 A1 A4 A5 A6 A7 A8 A9 A12 B1 B4 B5 B6 B7 B8 B9 B12; USB102 A1 A4 A5 A6 A7 A8 A9 A12 B1 B4 B5 B6 B7 B8 B9 B12; USB201 A4 A5 A6 A7 A8 A9 B4 B5 B6 B7 B8 B9; USB201#2 A4 A5 A6 A7 A8 A9 B4 B5 B6 B7 B8 B9; Y1 1 2; Y1#2 1 2; Y101 1 3; Y101#2 1 3; Y101#3 1 2; Y201 1 3; Y201#2 1 3

## Via types
v1: diameter 0.5, hole 0.3, Top to Bottom, 2002 vias
v2: diameter 0.8, hole 0.4, Top to Bottom, 4 vias

## Routing (per net, layer and track width the routed paths; a pad name or vN(x,y) marks a point on that pad's centre or on a via; arc(x,y) is an arc through that point)
GND: length 2935.6
  Top w0.2: 9.76,111.6 9.76,111.66 C224#2.1 ; v1(8.92,95.3) 8.76,95.14 U205.4 ; U110.10 160.92,189.54 161.67,190.29 U110.4 162.83,190.29 C123.2 ; U110.10 159.01,189.54 C122.2 ; U110.10 159.08,189.54 158.32,190.3 ; v1(76.25,102.03) R17#2.2 ; U107.10 154.76,175.37 ; 154.76,175.37 U107.11 ; 154.76,175.37 155.78,174.35 v1(155.79,174.35) 155.79,174.34 U107.21 155.26,174.87 U107.9 155.26,177.04 156.68,178.47 157.17,178.47 158.15,179.45 v1(158.15,179.7) 158.15,181.92 R115.2 ; C4.1 10.41,187.62 11.52,187.62 11.73,187.42 12.52,187.42 12.73,187.62 14.86,187.62 15.05,187.43 15.62,187.43 ; U205#2.4 83.14,189.74 v1(83.3,189.58) ; 112.42,119.38 112.42,119.95 112.62,120.14 112.62,122.28 112.41,122.47 112.41,123.28 112.62,123.47 112.62,124.59 C4#2.1 ; 92.19,27.33 Y101.4 ; Y101.4 92.94,28.23 95.06,28.23 95.74,27.56 C105.1 ; Y101.4 91.67,26.96 C106.1 89.93,26.35 89.93,25.59 90.8,24.72 91.65,24.72 v1(91.79,24.58) 92.14,24.23 C108.2 C115.2 ; U6#2.15 30.67,152.07 v1(30.93,152.33) ; C230.2 C223#2.2 98.18,174.34 v1(98.38,174.14) 98.41,174.11 99.41,174.11 100.39,173.13 100.39,172.37 C221.1 98.65,171.76 Y201#2.4 ; R20.1 25.66,152.19 v1(25.69,152.22) ; 27.11,110.13 Y201.4 ; Y201.4 26.74,110.65 C221#2.1 26.13,112.39 25.37,112.39 24.39,111.41 24.39,110.41 v1(24.36,110.38) 24.16,110.18 C223.2 C230#2.2 ; Y201.4 28.17,109.22 28.17,107.21 27.54,106.58 C220#2.1 ; USB1#2.S1 17.31,190 USB1#2.A1 ; 94.14,18.48 U104.57 ; U104#2.27 176.5,102.94 176.12,102.56 176.12,102.34 v1(175.82,102.04) 175.82,102.31 175,103.13 R109#3.2 ; 90.72,9.98 90.66,9.98 C109.1 ; Y201#2.4 97.22,170.33 95.21,170.33 94.58,170.96 C220.1 ; Y201#2.4 98.13,171.39 ; U206#2.19 v1(96.18,179.14) ; C109#2.1 188.02,102.66 188.02,102.72 ; USB1.S1 115,117.69 USB1.A1 ; C105#3.1 170.44,107.74 169.77,107.06 169.77,104.94 Y101#2.4 ; v1(161.76,177.57) 161.56,177.37 R125.2 ; U108.7 162.58,184.12 162.28,184.41 161.84,184.41 C116#2.2 161.15,185.89 v1(161.1,185.94) ; Y101#2.4 171.04,103.67 C106#2.1 171.65,101.93 172.41,101.93 173.27,102.8 173.27,103.65 v1(173.42,103.79) 173.77,104.14 C108#3.2 C115#2.2 ; Y101#2.4 170.67,104.19 ; 18.26,108.18 U206.57 ; U110.15 163.2,188.14 163.56,187.78 ; v1(77.45,106.63) 77.3,106.48 U6.4 76.81,106.48 76.06,105.73 U6.10 74.12,105.73 ; U104.19 v1(94.14,19.58) ; 140.64,188.16 139.79,188.16 134.53,182.89 134.53,181.29 137.27,178.55 137.27,173.49 135.75,171.97 131.81,171.97 131.6,171.76 131.6,159.63 134.36,156.87 138.12,156.87 138.42,156.56 141.12,156.56 v1(142.02,155.67) ; 29.27,149.12 U6#2.10 29.27,151.06 28.52,151.81 U6#2.4 28.52,152.3 v1(28.37,152.45) ; U104#2.19 v1(178.42,106.14) ; U206.19 v1(19.36,108.18) ; 96.18,180.24 U206#2.57 ; 99.6,188.74 99.66,188.74 C224.1 ; 179.52,106.14 U104#2.57 ; v1(77.33,104.07) 77.07,104.33 U6.15 ; R126#2.2 v1(165.23,174.31) ; v1(77.23,109.31) 77.2,109.34 R20#2.1 ; v1(32.98,151.25) R17.2